# Altium PCB ALCT_MEZ_LX150T.PcbDoc (part 7 of 8) (continued)
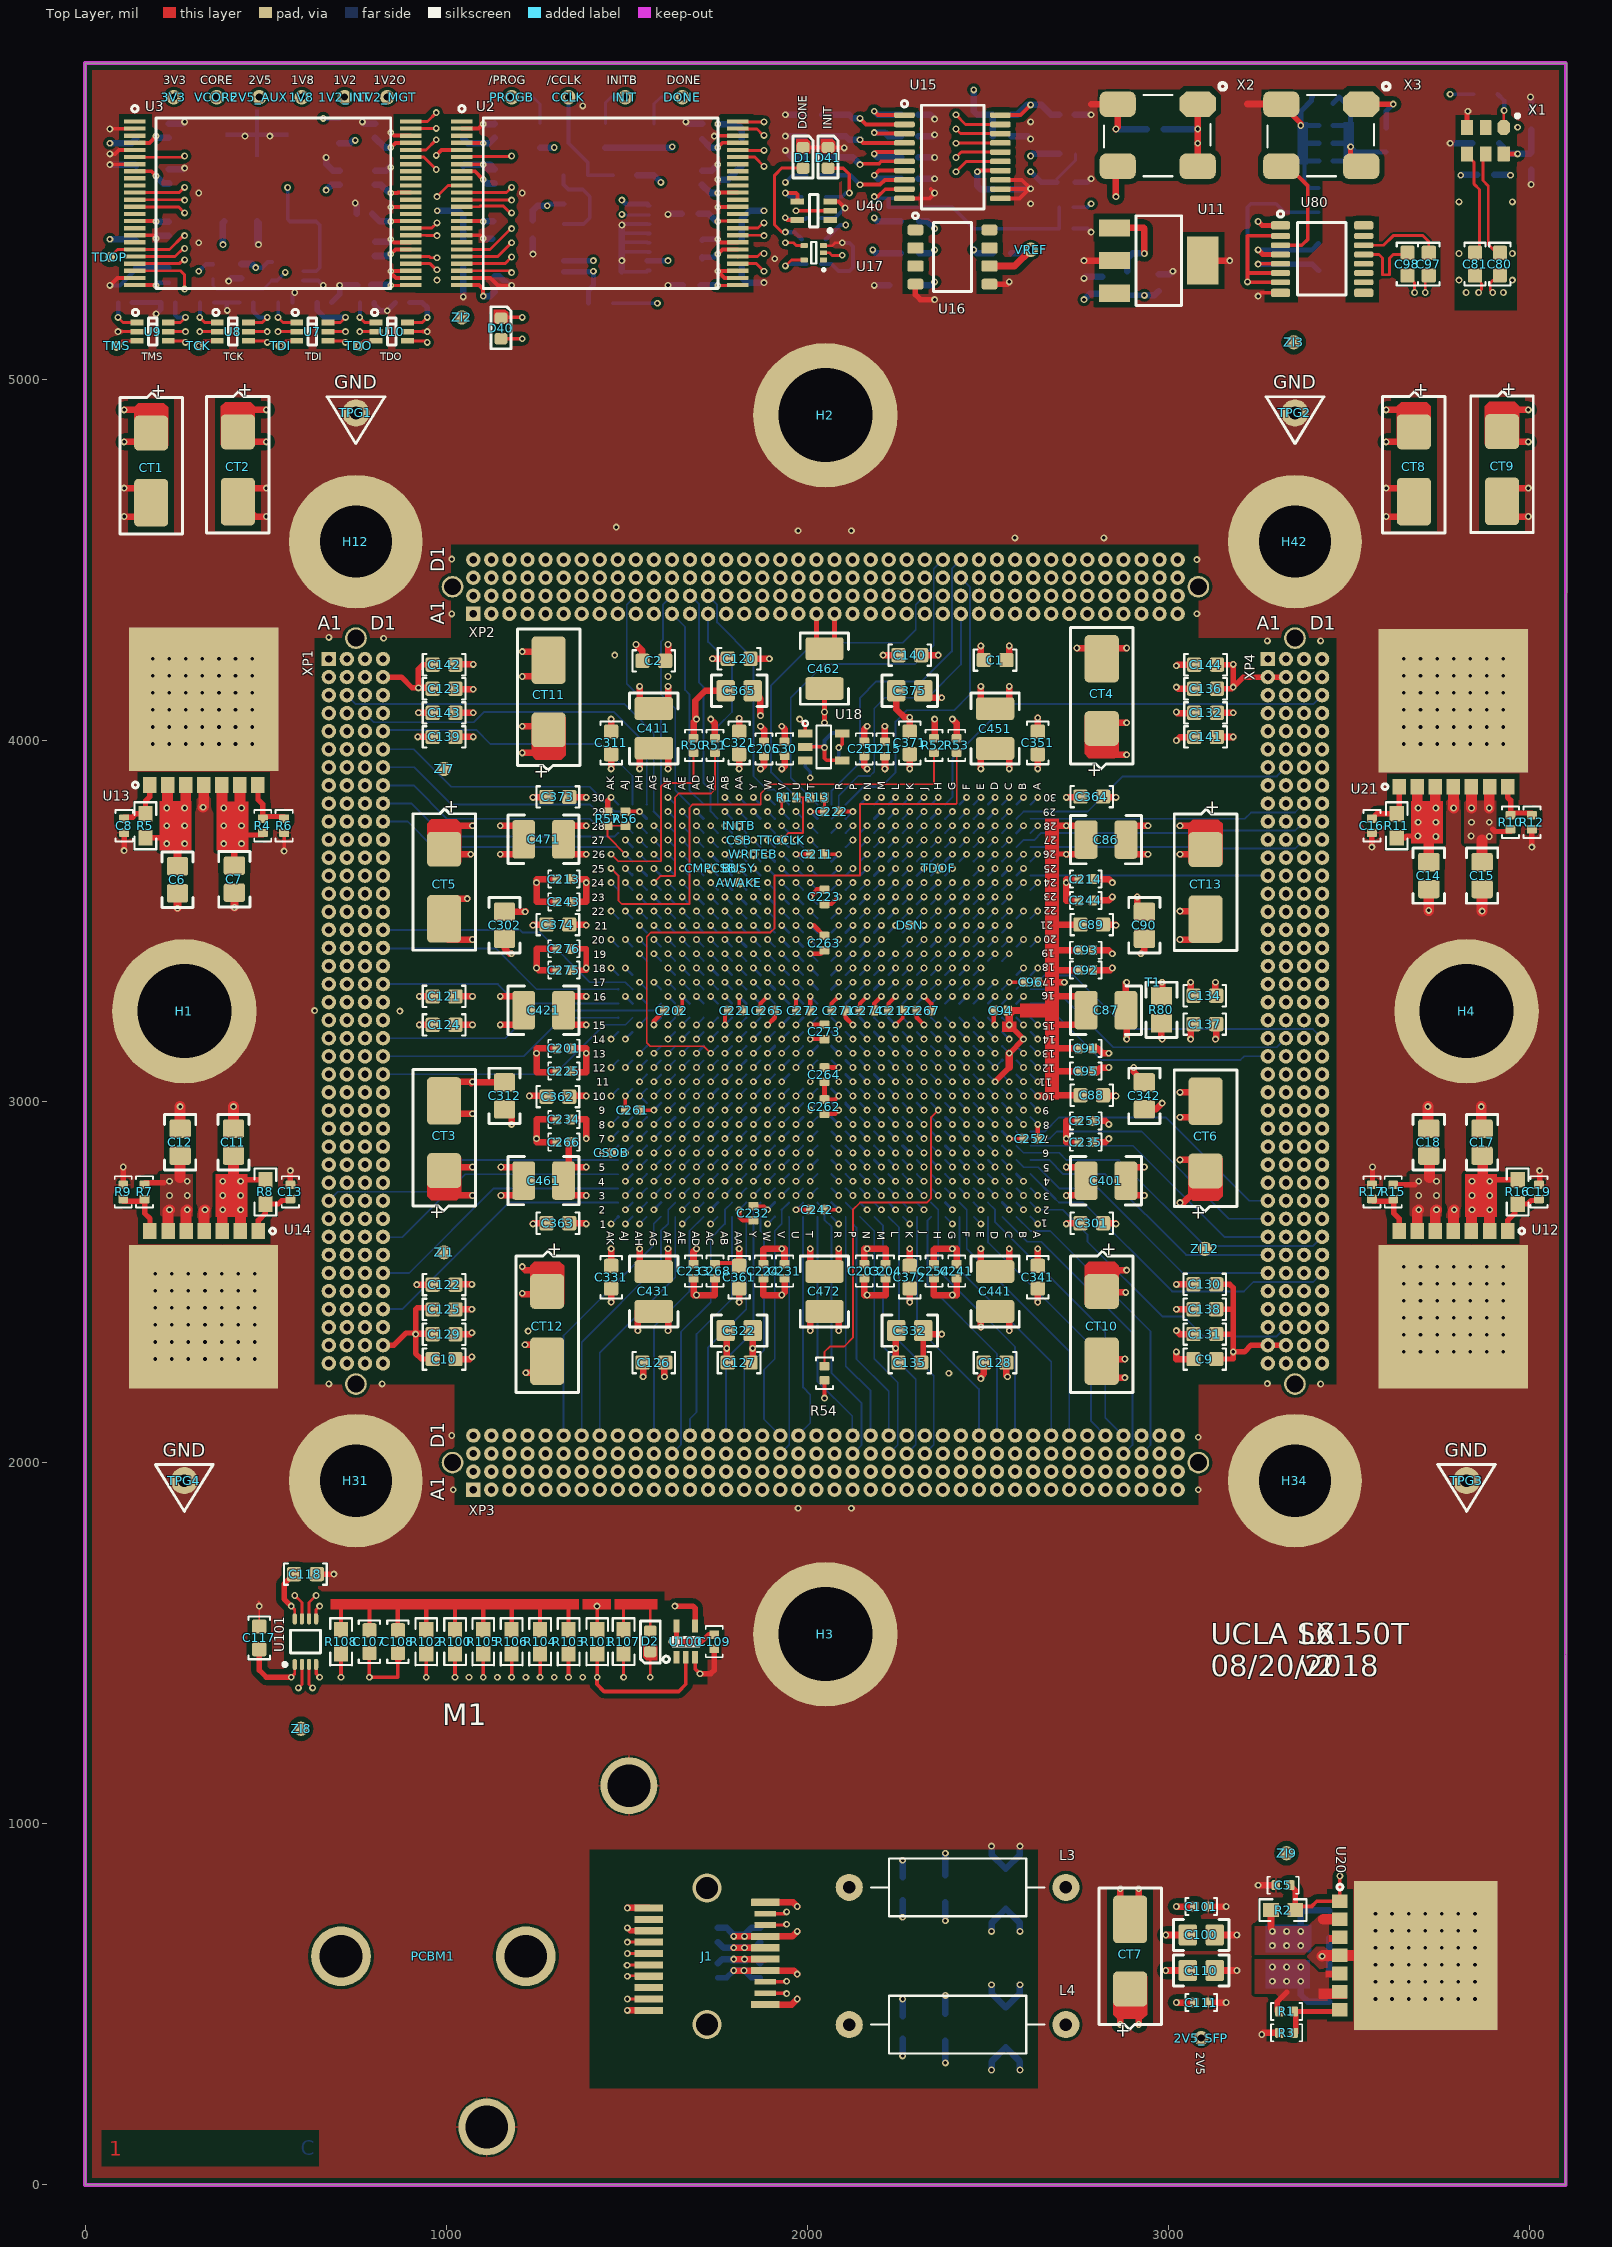
[diagram p0: Top Layer view]
## Nets (pads, with @x,y where several pads share a name; then routed paths per layer and width w, separated by ;. In a path a pad name is that pad's centre, name@x,y a point inside that pad or via, vN(x,y) a via of type N, cw(c..) or ccw(c..) an arc to the next point about the centre after c; other vN are vias at no path point) (continued)
  Mid-Layer 1 w5: v1(2519.69,2857.68) 2539.32,2838.05 2551.05,2838.05 ; 2551.05,2837.82 2764.01,2837.82 ; 2763.78,2838.05 2764.01,2837.82 ; XP4.B31@3325,2725.01 3300,2700.01 2901.83,2700.01 2764.01,2837.82
  Bottom Layer w6: U1.D6@2500,2877.37 v1(2519.69,2857.68)
XP4B_32: U1.C5 XP4.B32 | length 874.3
  Mid-Layer 1 w5: v1(2559.06,2818.3) 2559.58,2818.82 2686.5,2818.82 2706.69,2798.63 2746.06,2798.63 2894.37,2650.32 3175,2650.32 3175.32,2650.01 3300,2650.01 XP4.B32@3325,2675.01
  Bottom Layer w6: U1.C5@2539.38,2837.98 v1(2559.06,2818.3)
XP4B_33: U1.D5 XP4.B33 | length 933.9
  Mid-Layer 1 w5: v1(2519.69,2818.3) 2539.43,2798.56 2618.17,2798.56 2637.8,2778.94 2704.74,2778.94 2883.36,2600.32 3200,2600.32 3200.32,2600.01 3300,2600.01 XP4.B33@3325,2625.01
  Bottom Layer w6: U1.D5@2500,2838 v1(2519.69,2818.3)
XP4B_34: U1.C4 XP4.B34 | length 898.5
  Mid-Layer 1 w5: v1(2559.06,2778.93) 2560.18,2778.93 v1@2560.24,2778.87 ; v1@2560.18,2778.81 2579.68,2759.31 2657.43,2759.31 2864.36,2552.38 2891.94,2552.38 2894.31,2550.01 3301.18,2550.01 XP4.B34@3325,2573.82
  Bottom Layer w6: U1.C4@2539.38,2798.62 v1(2559.06,2778.93)
XP4B_35: U1.E5 XP4.B35 | length 1010.2
  Mid-Layer 4 w5: v1(2480.33,2818.3) 2499.84,2837.81 2884.04,2837.81 3171.85,2550.01 3300,2550.01 XP4.B35@3325,2525.01
  Bottom Layer w6: U1.E5@2460.63,2838 v1(2480.33,2818.3)
XP4B_36: U1.B2 XP4.B36 | length 884.5
  Mid-Layer 1 w5: v1(2598.43,2700.2) 2598.43,2672.63 2821.55,2449.51 3299.5,2449.51 ; 3300.5,2450.51 XP4.B36@3325,2475.01
  Bottom Layer w6: U1.B2@2578.74,2719.89 v1@2599.11,2699.52
XP4B_37: U1.D4 XP4.B37 | length 1058.5
  Mid-Layer 1 w5: v1(2519.69,2778.93) 2539.56,2759.07 2539.56,2745.28 2539.56,2660.65 2800.7,2399.51 3299.5,2399.51 XP4.B37@3325,2425.01
  Bottom Layer w6: U1.D4@2500.01,2798.62 v1(2519.69,2778.93)
XP4B_38: U1.A2 XP4.B38 | length 882.4
  Bottom Layer w5: v1(2637.8,2700.2) 2706.69,2700.2 2775.59,2631.3 2775.59,2611.62 2982.28,2404.93 3041.34,2404.93 3096.76,2349.51 3299.5,2349.51 XP4.B38@3325,2375.01
  Bottom Layer w6: U1.A2@2618.11,2719.89 v1(2637.8,2700.2)
XP4C_3: U1.H30 XP4.C3 | length 1157.9
  Mid-Layer 7 w5: v1(2362.2,3841.93) 2381.89,3861.62 2936.99,3861.62 3175.38,4100.01 3350,4100.01 XP4.C3@3375,4125.01
  Bottom Layer w6: U1.H30@2342.52,3822.25 v1(2362.2,3841.93)
XP4C_4: U1.J29 XP4.C4 | length 1192.9
  Mid-Layer 7 w5: v1(2322.83,3802.56) 2342.46,3822.19 2952.7,3822.19 3180.51,4050.01 3350,4050.01 XP4.C4@3375,4075.01
  Bottom Layer w6: U1.J29@2303.15,3782.88 v1(2322.83,3802.56)
XP4C_5: U1.D27 XP4.C5 | length 1039
  Mid-Layer 1 w5: v1(2519.69,3723.82) 2539.45,3743.57 2657.54,3743.57 2746.06,3832.09 2746.06,3849.83 2875.97,3979.73 2903.54,3979.73 2973.82,4050.01 3350,4050.01 XP4.C5@3375,4025.01
  Bottom Layer w6: U1.D27@2500,3704.14 v1(2519.69,3723.82)
XP4C_6: U1.A28 XP4.C6 | length 877.2
  Mid-Layer 2 w5: v1(2637.8,3763.19) 2667.32,3733.67 2854.33,3733.67 3070.17,3949.51 3349.5,3949.51 XP4.C6@3375,3975.01
  Bottom Layer w6: U1.A28@2618.11,3743.51 v1(2637.8,3763.19)
XP4C_7: U1.D26 XP4.C7 | length 1019.7
  Mid-Layer 1 w5: v1(2519.69,3684.45) 2539.2,3664.94 2765.92,3664.94 3050.98,3950.01 3350,3950.01 XP4.C7@3375,3925.01
  Bottom Layer w6: U1.D26@2500,3664.77 v1(2519.69,3684.45)
XP4C_8: U1.C29 XP4.C8 | length 906.9
  Mid-Layer 5 w5: v1@2561.59,3800.01 v1(2559.06,3802.55) 2893.68,3802.55 2913.39,3822.25 3169.29,3822.25 3246.55,3899.51 3350.5,3899.51 XP4.C8@3375,3875.01 XP4.C8@3375,3870.48
  Bottom Layer w6: U1.C29@2539.38,3782.87 v1(2559.06,3802.55) v1@2562.39,3805.88
XP4C_9: U1.A29 XP4.C9 | length 774.3
  Bottom Layer w5: U1.A29@2618.11,3782.88 3211.22,3782.88 3228.35,3800.01 3350,3800.01 XP4.C9@3375,3825.01
XP4C_10: U1.B27 XP4.C10 | length 825.6
  Bottom Layer w5: U1.B27@2578.74,3704.14 2598.11,3723.51 2627.95,3723.51 2647.95,3743.51 3070.87,3743.51 3077.36,3750.01 3350,3750.01 XP4.C10@3375,3775.01
XP4C_11: U1.A27 XP4.C11 | length 769.4
  Bottom Layer w5: 3056.57,3704.45 3061.02,3700.01 3350,3700.01 XP4.C11@3375,3725.01
  Bottom Layer w6: U1.A27@2618.11,3704.14 2618.11,3704.45 3056.57,3704.45
XP4C_12: U1.F24 XP4.C12 | length 1019
  Mid-Layer 2 w5: v1(2440.96,3605.7) 2460.45,3625.2 2460.45,3652.78 2472.44,3664.77 3185.24,3664.77 3200,3650.01 3350,3650.01 XP4.C12@3375,3675.01
  Bottom Layer w6: U1.F24@2421.26,3586.02 v1(2440.96,3605.7)
XP4C_13: U1.E24 XP4.C13 | length 952.1
  Mid-Layer 2 w5: v1(2480.32,3605.71) 2499.82,3625.22 3174.78,3625.22 3200,3600.01 3351.18,3600.01 3375,3623.83 XP4.C13@3375,3625.01
  Bottom Layer w6: U1.E24@2460.64,3586.02 v1(2480.32,3605.71)
XP4C_14: U1.F23 XP4.C14 | length 995.2
  Mid-Layer 2 w5: v1(2440.94,3566.33) 2460.45,3585.84 3152.32,3585.84 3188.16,3550.01 3350,3550.01 XP4.C14@3375,3575.01
  Bottom Layer w6: U1.F23@2421.26,3546.66 v1(2440.94,3566.33)
XP4C_15: U1.H21 XP4.C15 | length 1110.8
  Mid-Layer 2 w5: v1(2362.21,3487.6) 2381.71,3507.1 2381.71,3534.68 2393.51,3546.48 3139.94,3546.48 3186.42,3500.01 3350,3500.01 XP4.C15@3375,3525.01
  Bottom Layer w6: U1.H21@2342.52,3467.92 v1(2362.21,3487.6)
XP4C_16: U1.E16 XP4.C16 | length 998.9
  Mid-Layer 1 w5: v1(2480.33,3290.75) 2500,3310.44 3070.87,3310.44 3210.93,3450.51 3350.5,3450.51 XP4.C16@3375,3475.01
  Bottom Layer w6: U1.E16@2460.63,3271.07 v1(2480.33,3290.75)
XP4C_17: U1.H19 XP4.C17 | length 1119.6
  Mid-Layer 4 w5: v1(2362.2,3408.84) 2382.05,3428.69 2382.05,3456.25 2393.53,3467.73 3162.49,3467.73 3230.22,3400.01 3350,3400.01 XP4.C17@3375,3425.01
  Bottom Layer w6: U1.H19@2342.52,3389.18 v1(2362.2,3408.84)
XP4C_18: U1.K14 XP4.C18 | length 1297.8
  Mid-Layer 1 w5: v1@2283.16,3172.95 v1(2283.48,3172.63) 2263.98,3192.13 2263.98,3251.58 2283.46,3271.07 3106.82,3271.07 3235.25,3399.51 3350.5,3399.51 XP4.C18@3375,3375.01
  Bottom Layer w6: U1.K14@2263.79,3192.32 v1(2283.48,3172.63)
XP4C_19: U1.G20 XP4.C19 | length 1089.2
  Mid-Layer 2 w5: v1(2401.57,3448.19) 2421.12,3467.74 3051.18,3467.74 3218.92,3300.01 3350,3300.01 XP4.C19@3375,3325.01
  Bottom Layer w6: U1.G20@2381.89,3428.52 v1(2401.57,3448.19)
XP4C_22: U1.G14 XP4.C22 | length 1132.7
  Mid-Layer 1 w5: v1@2401.13,3173.08 v1(2401.58,3172.63) ; v1@2401.32,3173.26 2382.07,3192.51 2382.07,3231.51 2381.89,3231.7 2421.26,3231.7 3031.5,3231.7 3112.69,3150.51 3350.5,3150.51 XP4.C22@3375,3175.01 ; XP4.C22@3375,3173.82 XP4.C22@3375.59,3174.42
  Bottom Layer w6: U1.G14@2381.89,3192.32 v1(2401.58,3172.63)
XP4C_23: U1.G17 XP4.C23 | length 1122.8
  Mid-Layer 2 w5: v1(2401.58,3330.12) 2421.09,3349.63 2836.8,3349.63 2836.98,3349.81 2984.97,3349.81 2985.15,3349.62 2990.36,3349.62 3239.48,3100.51 3350.5,3100.51 XP4.C23@3375,3125.01
  Bottom Layer w6: U1.G17@2381.89,3310.44 v1(2401.58,3330.12)
XP4C_24: U1.H17 XP4.C24 | length 1167
  Mid-Layer 2 w5: v1(2362.21,3330.12) 2363.86,3330.12 2383.71,3310.26 2952.93,3310.26 3213.19,3050.01 3350,3050.01 XP4.C24@3375,3075.01
  Bottom Layer w6: U1.H17@2342.52,3310.44 v1(2362.21,3330.12)
XP4C_25: U1.H16 XP4.C25 | length 1150.7
  Mid-Layer 4 w5: v1(2362.21,3290.75) 2381.89,3271.07 3001.97,3271.07 3223.53,3049.51 3350.5,3049.51 XP4.C25@3375,3025.01
  Bottom Layer w6: U1.H16@2342.52,3271.07 v1(2362.21,3290.75)
XP4C_26: U1.J18 XP4.C26 | length 1282.6
  Mid-Layer 2 w5: v1(2322.84,3369.48) 2342.7,3349.63 2342.7,3320.28 2342.71,3282.67 2355.66,3269.72 2934.41,3269.72 3204.13,3000.01 3350,3000.01 XP4.C26@3375,2975.01
  Bottom Layer w6: U1.J18@2303.15,3349.81 v1(2322.84,3369.48)
XP4C_27: U1.K15 XP4.C27 | length 1275.1
  Mid-Layer 2 w5: v1(2283.48,3212) 2303,3231.52 2854.51,3231.52 3186.02,2900.01 3350,2900.01 XP4.C27@3375,2925.01
  Bottom Layer w6: U1.K15@2263.78,3231.7 v1(2283.48,3212)
XP4C_28: U1.L14 XP4.C28 | length 1323.9
  Mid-Layer 2 w5: v1@2244.09,3176.58 v1(2244.09,3172.63) 2263.61,3192.15 2353.97,3192.15 2354.08,3192.26 2370.34,3192.26 2370.45,3192.15 2836.99,3192.15 2836.99,3191.94 2875.78,3153.14 2876,3153.14 2895.87,3133.27 2895.87,3133.06 3023.42,3005.51 3023.63,3005.51 3179.13,2850.01 3351.18,2850.01 3375,2873.83 XP4.C28@3375,2875.01
  Bottom Layer w6: U1.L14@2224.41,3192.32 v1(2244.09,3172.63)
XP4C_29: U1.H14 XP4.C29 | length 1233
  Mid-Layer 2 w5: v1(2362.21,3172.63) 2382.06,3152.78 2842.71,3152.78 2862.22,3133.27 2862.22,3086.01 3148.23,2800.01 3350,2800.01 XP4.C29@3375,2825.01
  Bottom Layer w6: U1.H14@2342.53,3192.32 v1(2362.21,3172.63)
XP4C_30: U1.F13 XP4.C30 | length 1131
  Mid-Layer 2 w5: v1(2440.94,3133.27) 2460.8,3113.41 2785.61,3113.41 3149.02,2750.01 3350,2750.01 XP4.C30@3375,2775.01
  Bottom Layer w6: U1.F13@2421.26,3152.96 v1(2440.94,3133.27)
XP4C_31: U1.F12 XP4.C31 | length 1136.1
  Mid-Layer 2 w5: v1(2440.94,3093.9) 2460.8,3074.04 2767.88,3074.04 3141.91,2700.01 3351.18,2700.01 3375,2723.83 XP4.C31@3375,2725.01
  Bottom Layer w6: U1.F12@2421.26,3113.59 v1(2440.94,3093.9)
XP4C_32: U1.G11 XP4.C32 | length 1179.2
  Mid-Layer 2 w5: v1(2401.58,3054.53) 2421.44,3034.67 2765.75,3034.67 3150.41,2650.01 3350,2650.01 XP4.C32@3375,2675.01
  Bottom Layer w6: U1.G11@2381.89,3074.22 v1(2401.58,3054.53)
XP4C_33: U1.G10 XP4.C33 | length 1183.7
  Mid-Layer 2 w5: v1(2401.58,3015.15) 2421.43,2995.3 2432.7,2995.3 2432.81,2995.41 2449.08,2995.41 2449.19,2995.3 2706.87,2995.3 3102.16,2600.01 3350,2600.01 XP4.C33@3375,2625.01
  Bottom Layer w6: U1.G10@2381.89,3034.85 v1(2401.58,3015.15)
XP4C_34: U1.F9 XP4.C34 | length 1148.6
  Mid-Layer 2 w5: v1(2440.94,2975.78) 2460.8,2955.92 2687.19,2955.92 3092.79,2550.32 3200,2550.32 3200.32,2550.01 3350,2550.01 XP4.C34@3375,2575.01
  Bottom Layer w6: U1.F9@2421.26,2995.48 v1(2440.94,2975.78)
XP4C_35: U1.E8 XP4.C35 | length 1113.6
  Mid-Layer 2 w5: v1(2480.33,2936.42) 2500.18,2916.56 2657.66,2916.56 3057.09,2517.13 3190.92,2517.13 3207.72,2500.32 3225,2500.32 3225.32,2500.01 3350,2500.01 XP4.C35@3375,2525.01
  Bottom Layer w6: U1.E8@2460.63,2956.11 v1(2480.33,2936.42)
XP4C_36: U1.E7 XP4.C36 | length 1136.5
  Mid-Layer 2 w5: v1(2480.33,2897.05) 2500.19,2877.19 2630.08,2877.19 2826.94,2680.33 2826.94,2648.85 3025.47,2450.32 3200,2450.32 3200.32,2450.01 3350,2450.01 XP4.C36@3375,2475.01
  Bottom Layer w6: U1.E7@2460.63,2916.74 v1(2480.33,2897.05)
XP4C_37: U1.E6 XP4.C37 | length 1161.7
  Mid-Layer 2 w5: v1(2480.33,2857.68) 2500.19,2837.82 2618.29,2837.82 2687.01,2769.1 2687.01,2729.73 2755.91,2660.83 2755.91,2633.26 2988.84,2400.32 3200,2400.32 3200.32,2400.01 3350,2400.01 XP4.C37@3375,2425.01
  Bottom Layer w6: U1.E6@2460.63,2877.37 v1(2480.33,2857.68)
XP4C_38: U1.F6 XP4.C38 | length 1258.5
  Mid-Layer 2 w5: v1(2440.94,2857.68) 2460.83,2837.8 2460.83,2810.22 2472.26,2798.79 2606.15,2798.79 2657.3,2747.65 2657.3,2651.17 2962.41,2346.06 3187.21,2346.06 3191.16,2350.01 3350,2350.01 XP4.C38@3375,2375.01
  Bottom Layer w6: U1.F6@2421.26,2877.37 v1(2440.94,2857.68)
XP4D_3: U1.G30 XP4.D3 | length 1231.2
  Bottom Layer w5: U1.G30@2381.89,3822.25 2401.57,3841.93 2401.57,3948.25 2553.83,4100.51 3208.66,4100.51 3209.16,4100.01 3400,4100.01 XP4.D3@3425,4125.01
XP4D_4: U1.B30 XP4.D4 | length 988.5
  Mid-Layer 2 w5: v1(2598.43,3841.93) 2598.43,3871.46 2608.27,3881.3 2854.33,3881.3 3072.53,4099.51 3400.5,4099.51 XP4.D4@3425,4075.01
  Bottom Layer w6: U1.B30@2578.74,3822.25 v1(2598.43,3841.93)
XP4D_5: U1.D28 XP4.D5 | length 1041.6
  Mid-Layer 2 w5: v1(2519.68,3763.19) 2539.37,3782.88 2834.65,3782.88 3041.34,3989.57 3227.26,3989.57 3238.19,4000.51 3400.5,4000.51 XP4.D5@3425,4025.01
  Bottom Layer w6: U1.D28@2500,3743.51 v1(2519.68,3763.19)
XP4D_6: U1.C30 XP4.D6 | length 960.4
  Mid-Layer 5 w5: v1(2559.06,3841.93) 2559.06,3861.62 2568.9,3871.46 3169.29,3871.46 3248.03,3950.2 3400.2,3950.2 XP4.D6@3425,3975.01
  Bottom Layer w6: U1.C30@2539.37,3822.25 v1(2559.06,3841.93)
XP4D_7: U1.G29 XP4.D7 | length 1171.6
  Mid-Layer 7 w5: v1(2401.57,3802.56) 2421.44,3782.7 2421.44,3755.12 2432.86,3743.69 3051.36,3743.69 3207.68,3900.01 3400,3900.01 XP4.D7@3425,3925.01
  Bottom Layer w6: U1.G29@2381.89,3782.88 v1@2404.91,3805.88
XP4D_8: U1.A26 XP4.D8 | length 918.8
  Mid-Layer 2 w5: v1(2637.8,3684.45) 2657.48,3704.14 2923.23,3704.14 3119.59,3900.51 3399.5,3900.51 XP4.D8@3425,3875.01 XP4.D8@3425,3871.27
  Bottom Layer w6: U1.A26@2618.11,3664.77 v1(2637.8,3684.45)
XP4D_9: U1.G27 XP4.D9 | length 1109.3
  Mid-Layer 7 w5: v1(2401.58,3723.82) 2421.08,3704.32 3080.89,3704.32 3176.07,3799.51 3399.5,3799.51 XP4.D9@3425,3825.01
  Bottom Layer w6: U1.G27@2381.89,3704.14 v1(2401.58,3723.82)
XP4D_10: U1.F26 XP4.D10 | length 1065.7
  Mid-Layer 5 w5: v1(2440.94,3684.45) 2460.63,3664.77 3041.34,3664.77 3126.58,3750.01 3400,3750.01 XP4.D10@3425,3775.01
  Bottom Layer w6: U1.F26@2421.26,3664.77 v1(2440.94,3684.45)
XP4D_11: U1.D25 XP4.D11 | length 982.6
  Mid-Layer 5 w5: v1(2519.69,3645.07) 2539.36,3625.4 3129.92,3625.4 3204.53,3700.01 3400,3700.01 XP4.D11@3425,3725.01
  Bottom Layer w6: U1.D25@2500,3625.4 v1(2519.69,3645.07)
XP4D_12: U1.C26 XP4.D12 | length 1031.5
  Mid-Layer 4 w5: v1(2559.06,3684.45) 2578.93,3664.58 2578.93,3653.16 2578.93,3597.63 2590.35,3586.2 3121.43,3586.2 3235.24,3700.01 3400,3700.01 XP4.D12@3425,3675.01 XP4.D12@3425.2,3674.81
  Bottom Layer w6: U1.C26@2539.38,3664.77 v1(2559.06,3684.45)
XP4D_13: U1.K20 XP4.D13 | length 1321.2
  Mid-Layer 5 w5: v1(2283.47,3448.19) 2263.98,3467.68 2263.98,3535.05 2275.59,3546.66 2332.49,3546.66 2332.68,3546.47 2982.28,3546.47 2982.47,3546.66 3145.47,3546.66 3198.82,3600.01 3400,3600.01 XP4.D13@3425,3625.01
  Bottom Layer w6: U1.K20@2263.79,3428.52 v1(2283.47,3448.19)
XP4D_14: U1.J19 XP4.D14 | length 1215
  Mid-Layer 5 w5: v1(2322.84,3408.84) 2342.34,3428.34 2342.34,3455.9 2354.35,3467.92 3165.94,3467.92 3248.03,3550.01 3400,3550.01 XP4.D14@3425,3575.01
  Bottom Layer w6: U1.J19@2303.15,3389.18 v1(2322.84,3408.84)
XP4D_15: U1.G19 XP4.D15 | length 1099.4
  Mid-Layer 5 w5: v1(2401.57,3408.84) 2421.28,3428.55 3186.42,3428.55 3257.87,3500.01 3400,3500.01 XP4.D15@3425,3525.01
  Bottom Layer w6: U1.G19@2381.89,3389.18 v1(2401.57,3408.84)
XP4D_16: U1.G21 XP4.D16 | length 1093.4
  Mid-Layer 2 w5: v1(2401.58,3487.6) 2404.11,3487.6 2423.62,3507.11 3130.1,3507.11 3187.2,3450.01 3400,3450.01 XP4.D16@3425,3475.01
  Bottom Layer w6: U1.G21@2381.89,3467.92 v1(2401.58,3487.6)
XP4D_17: U1.H18 XP4.D17 | length 1113.6
  Mid-Layer 5 w5: v1(2362.21,3369.48) 2381.91,3389.18 3218.5,3389.18 3229.33,3400.01 3400,3400.01 XP4.D17@3425,3425.01
  Bottom Layer w6: U1.H18@2342.52,3349.81 v1(2362.21,3369.48)
XP4D_18: U1.K17 XP4.D18 | length 1188
  Mid-Layer 5 w5: v1(2283.48,3330.12) 2302.98,3349.62 2606.14,3349.62 2606.33,3349.81 2873.83,3349.81 2874.02,3349.99 3208.15,3349.99 3208.66,3350.51 3400.5,3350.51 XP4.D18@3425,3375.01
  Bottom Layer w6: U1.K17@2263.78,3310.44 v1(2283.48,3330.12)
XP4D_19: U1.D16 XP4.D19 | length 1115.1
  Mid-Layer 7 w5: v1(2519.69,3290.75) 2500.19,3310.25 2500.19,3369.69 2519.5,3388.99 2736.22,3388.99 2785.62,3438.39 2972.44,3438.39 3041.34,3369.49 3131.29,3369.49 3150.78,3350.01 3400,3350.01 XP4.D19@3425,3325.01
  Bottom Layer w6: U1.D16@2500,3271.07 v1(2519.69,3290.75)
XP4D_22: U1.B17 XP4.D22 | length 934
  Bottom Layer w5: U1.B17@2578.74,3310.44 2598.43,3330.12 2637.8,3330.12 2656.3,3348.62 2737.41,3348.62 2885.52,3200.51 3399.5,3200.51 XP4.D22@3425,3175.01
XP4D_23: U1.L11 XP4.D23 | length 1522.9
  Mid-Layer 5 w5: v1(2244.09,3054.53) 2263.98,3074.42 2263.98,3298.83 2275.4,3310.25 2550.98,3310.25 3041.51,3310.25 3201.25,3150.51 3399.5,3150.51 XP4.D23@3425,3125.01
  Bottom Layer w6: U1.L11@2224.41,3074.22 v1(2244.09,3054.53)
XP4D_24: U1.L13 XP4.D24 | length 1305.1
  Mid-Layer 1 w5: v1(2244.09,3133.27) 2263.83,3153 2421.26,3153 2421.3,3152.96 2460.63,3152.96 2460.63,3192.33 2460.83,3192.13 2499.8,3192.13 2500,3192.33 2992.13,3192.33 3084.45,3100.01 3400,3100.01 XP4.D24@3425,3075.01
  Bottom Layer w6: U1.L13@2224.41,3152.96 v1(2244.09,3133.27)
XP4D_25: U1.G15 XP4.D25 | length 1200.8
  Mid-Layer 5 w5: v1(2401.57,3212) 2401.57,3251.38 2421.26,3271.07 3003.92,3271.07 3225.48,3049.51 3400.7,3049.51 3425,3025.2 XP4.D25@3425,3025.01
  Bottom Layer w6: U1.G15@2381.89,3231.7 v1@2401.56,3212.01
XP4D_26: U1.B15 XP4.D26 | length 971.9
  Mid-Layer 4 w5: v1(2598.43,3212.01) 2617.93,3192.51 2932.89,3192.51 3174.89,2950.51 3400.5,2950.51 XP4.D26@3425,2975.01
  Bottom Layer w6: U1.B15@2578.74,3231.7 v1@2597.74,3212.68
XP4D_27: U1.E15 XP4.D27 | length 1128.4
  Mid-Layer 5 w5: v1(2480.33,3212) 2480.33,3231.71 2490.16,3241.54 2952.58,3241.54 3243.61,2950.51 3401.27,2950.51 3425,2926.78 XP4.D27@3425,2925.01
  Bottom Layer w6: U1.E15@2460.63,3231.7 v1(2480.33,3212)
XP4D_28: U1.F15 XP4.D28 | length 1169.1
  Mid-Layer 4 w5: v1(2440.94,3212) 2460.62,3192.33 2460.62,3182.5 2460.83,3182.29 2460.83,3164.56 2472.25,3153.13 2489.98,3153.13 2490.16,3152.96 2875.97,3152.96 3129.42,2899.51 3403.06,2899.51 3425,2877.56 XP4.D28@3425,2875.01
  Bottom Layer w6: U1.F15@2421.26,3231.7 v1(2440.94,3212)
XP4D_29: U1.H13 XP4.D29 | length 1255.2
  Mid-Layer 5 w5: v1(2362.21,3133.27) 2381.73,3152.78 2874.19,3152.78 3226.97,2800.01 3400,2800.01 XP4.D29@3425,2825.01
  Bottom Layer w6: U1.H13@2342.52,3152.96 v1(2362.21,3133.27)
XP4D_30: U1.F11 XP4.D30 | length 1148.3
  Mid-Layer 4 w5: v1(2440.94,3054.53) 2460.81,3034.66 2805.3,3034.66 3089.87,2750.1 3400.09,2750.1 XP4.D30@3425,2775.01
  Bottom Layer w6: U1.F11@2421.26,3074.22 v1(2440.94,3054.53)
XP4D_31: U1.J12 XP4.D31 | length 1319.7
  Mid-Layer 5 w5: v1(2322.84,3093.9) 2342.35,3113.4 2787.57,3113.4 3200.97,2700.01 3400,2700.01 XP4.D31@3425,2725.01
  Bottom Layer w6: U1.J12@2303.15,3113.59 v1(2322.84,3093.9)
XP4D_32: U1.H12 XP4.D32 | length 1284.9
  Mid-Layer 5 w5: v1(2362.21,3093.9) 2382.08,3074.03 2726.56,3074.03 3150.59,2650.01 3400,2650.01 XP4.D32@3425,2675.01
  Bottom Layer w6: U1.H12@2342.52,3113.59 v1(2362.21,3093.9)
XP4D_33: U1.B6 XP4.D33 | length 971.5
  Bottom Layer w5: U1.B6@2578.74,2877.37 2598.43,2857.68 2696.85,2857.68 2716.72,2837.81 2862.41,2837.81 3100.21,2600.01 3400,2600.01 XP4.D33@3425,2625.01
XP4D_34: U1.H11 XP4.D34 | length 1310
  Mid-Layer 5 w5: v1(2362.21,3054.53) 2381.71,3035.03 2665.19,3035.03 3150.21,2550.01 3400,2550.01 XP4.D34@3425,2575.01
  Bottom Layer w6: U1.H11@2342.52,3074.22 v1(2362.21,3054.53)
XP4D_35: U1.A4 XP4.D35 | length 962.5
  Bottom Layer w5: 2687.01,2729.73 2696.67,2720.07 2763.61,2720.07 3009.68,2474.01 3208.85,2474.01 3234.84,2500.01 3400,2500.01 XP4.D35@3425,2525.01
  Bottom Layer w6: U1.A4@2618.11,2798.63 2687.01,2729.73
XP4D_36: U1.E9 XP4.D36 | length 1330.7
  Mid-Layer 5 w5: v1(2480.33,2975.78) 2500,2956.11 2500,2700.2 2687.01,2513.19 3188.98,2513.19 3202.17,2500.01 3400,2500.01 XP4.D36@3425,2475.01 ; XP4.D36@3424.41,2474.41 XP4.D36@3425,2473.82
  Bottom Layer w6: U1.E9@2460.63,2995.48 v1(2480.33,2975.78)
XP4D_37: U1.B3 XP4.D37 | length 1022
  Mid-Layer 4 w5: v1(2598.43,2739.57) 2617.93,2759.07 2805.3,2759.07 3164.87,2399.51 3399.5,2399.51 XP4.D37@3425,2425.01
  Bottom Layer w6: U1.B3@2578.74,2759.26 v1(2598.43,2739.57)
XP4D_38: U1.F8 XP4.D38 | length 1399
  Mid-Layer 5 w5: v1(2440.94,2936.42) 2460.83,2916.53 2460.83,2668.92 2460.82,2652.76 2713.57,2400.01 3400,2400.01 XP4.D38@3425,2375.01
  Bottom Layer w6: U1.F8@2421.26,2956.11 v1(2440.94,2936.42)
pads on no net: J1.2 J1.8 J1.21 PCBM1.1 PCBM1.2 U1.A19 U1.A21 U1.A23 U1.AG14 U1.AG18 U1.AH14 U1.AH18 U1.AJ9 U1.AJ11 U1.AJ13 U1.AJ19 U1.AJ21 U1.AJ23 U1.AK9 U1.AK11 U1.AK13 U1.AK19 U1.AK21 U1.AK23 U1.B19 U1.B21 U1.B23 U1.C18 U1.D18 U1.U11 U2.1 U2.3 U2.9 U2.14 U2.16 U2.18 U2.35 U2.37 U2.39 U2.40 U2.41 U2.42 U3.1 U3.3 U3.9 U3.10 U3.14 U3.16 U3.18 U3.35 U3.37 U3.39 U3.40 U3.41 U3.42 U4.11 U4.12 U4.13 U4.15 U6.1 U11.3 U16.1 U16.2 U16.3 U16.7 U16.8 U17.1 U18.3 U19.3 U40.1 U80.9 U80.10 U80.11 U80.12 U80.15 U80.16 U100.1 X1.2 XP1.MC1 XP1.MC2 XP2.A30 XP2.B6 XP2.B7 XP2.B8 XP2.C5 XP2.C6 XP2.C20 XP2.C21 XP2.C32 XP2.C33 XP2.D5 XP2.D6 XP2.D20 XP2.D30 XP2.D32 XP2.D33 XP2.D35 XP2.MC1 XP2.MC2 XP3.MC1 XP3.MC2 XP4.A10 XP4.MC1 XP4.MC2 ZI1.1 ZI2.1 ZI3.1 ZI4.1 ZI5.1 ZI6.1 ZI7.1 ZI8.1 ZI9.1 ZI10.1 ZI11.1 ZI12.1
copper on no net: | length 2992.1
  +1V2 w7.87: 5049.21,4757.29 5649.61,4757.29
  +3V3 w7.87: 5049.21,4954.14 5649.61,4954.14
  +2V5 w7.87: 5049.21,4560.44 5649.61,4560.44
  GND1 w7.87: 5049.21,4353.75 5649.61,4353.75
  GND2 w7.87: 5049.21,4156.9 5639.76,4156.9
  other v1: 3966.54,5697.25

## Polygon pours and split planes (outlines as drawn)
+1V8 on Mid-Layer 2 "+1V8_L04_P072" (solid, remove dead copper, pour order 72): 0,5121.46 0,5873.82 4100,5873.82 4100,5121.46
+1V8 on Mid-Layer 2 "+1V8_L04_P170" (solid, pour order 170): 0,3664.77 59.05,3664.77 59.05,1253.35 718.5,1253.35 718.5,1194.3 698.82,1174.61 0,1174.61
GND on Mid-Layer 2 "GND_L04_P156" (solid, remove dead copper, pour order 156): 68.9,1263.77 68.9,3635.24 639.41,3635.24 639.41,2237.25 836.26,2237.25 1033.12,2237.25 1033.12,1882.92 3040.99,1882.92 3040.98,2128.99 3454.72,2128.99 3454.72,4402.61 3050.83,4402.61 3050.83,4530.91 600.39,4530.91 600.39,5150.99 4099.76,5150.99 4098.01,0 3444.53,0.01 3444.53,1263.77
+1V8 on Mid-Layer 2 "+1V8_L04_P164" (solid, remove dead copper, pour order 164): 0,3654.93 639.76,3654.93 639.76,4412.8 590.55,4462.01 590.55,4639.18 698.82,4747.45 1712.6,4747.45 1860.24,4895.08 1860.24,5141.15 0,5141.15
+2V5_SFP on Mid-Layer 2 "+2V5_SFP_L04_P166" (solid, pour order 166): 2649.27,943.5 2649.27,303.56 3200.27,303.56 3229.97,333.27 3229.98,500.59 3297.24,567.86 3297.24,590.8 3229.98,658.08 3229.98,904.13 3190.61,943.5 2944.55,943.5
+VCORE on Mid-Layer 2 "+VCORE_L04_P037" (solid, pour order 37): 3001.97,3673.03 3001.97,3750.65 3001.97,3773.04 3100.39,3861.62 3769.69,3861.62 3769.68,3677.96
sfp_vcct on Mid-Layer 2 "SFP_VCCT_L04_P077" (solid, remove dead copper, pour order 77): 1785.05,668.27 1785.05,644.65 2627.97,644.65 2627.97,927.33 1853.95,927.33 1853.95,700.95 1853.95,668.27
sfp_vcct2 on Mid-Layer 2 "SFP_VCCT2_L04_P078" (solid, remove dead copper, pour order 78): 1785.05,636.78 2627.97,636.78 2627.97,336.78 1853.95,336.78 1853.95,582.84 1853.95,613.16 1785.05,613.16
GND on Mid-Layer 1 "GND_L02_P178" (solid, remove dead copper, pour order 178): 0,4412.8 910.43,4412.8 910.43,4540.75 4100,4540.75 4100,5875.01 2874.02,5875.01 0,5875.01
+VCORE on Mid-Layer 1 "+VCORE_L02_P124" (solid, remove dead copper, pour order 124): -0.01,0.01 -0.01,4402.96 1143.03,4402.96 1141.73,4254.55 1358.16,4038.67 1232.05,3912.57 1091.76,4058.47 649.6,4058.47 649.6,3310.44 974.41,3310.44 974.41,3093.92 649.6,3093.89 649.6,2454.14 984.25,2454.14 1112.21,2582.09 1250,2582.09 1250,2424.61 1161.42,2336.03 1161.42,1893.12 1988.19,1893.12 1988.19,2060.44 2106.3,2060.44 2106.3,1893.12 2942.91,1893.12 2942.91,2246.68 3149.6,2246.68 3149.61,2365.56 3454.72,2365.56 3454.72,3162.8 3100.39,3162.8 3041.34,3221.86 3041.34,3251.38 3188.98,3251.38 3248.03,3310.44 3316.93,3310.44 3326.77,3320.28 3454.72,3320.28 3454.72,4127.37 2942.91,4127.36 2942.91,4530.91 2106.3,4530.91 2106.3,4363.59 1942.52,4363.59 1942.52,4708.08 2175.2,4708.08 2310.87,4983.67 4099.99,4983.67 4099.99,0.01
GND on Top Layer "GND_L01_P172" (solid, remove dead copper, pour order 172): -0.35,0 4099.65,0 4099.65,5875.01 -0.35,5875.01
+2V5_SFP on Top Layer "+2V5_SFP_L01_P136" (solid, remove dead copper, pour order 136): 3503.94,588.55 3503.94,509.81 3316.93,509.81 3297.24,529.49 3238.19,529.49 3238.19,625.2 3378.7,625.2 3415.35,588.55
+3V3 on Top Layer "+3V3_L01_P138" (solid, remove dead copper, pour order 138): 3238.19,637.76 3375.98,637.76 3405.51,667.29 3503.94,667.29 3503.94,746.03 3415.35,746.03 3385.83,716.5 3238.19,716.5
+1V2_MGT on Top Layer "+1V2_MGT_L01_P042" (solid, remove dead copper, pour order 42): 3818.9,3832.09 3818.9,3715.16 3907.48,3715.16 3907.48,3832.09
+1V2 on Top Layer "+1V2_L01_P083" (solid, remove dead copper, pour order 83): 298.08,2681.7 298.08,2798.63 208.71,2798.63 208.71,2681.7
+2V5_AUX on Top Layer "+2V5_AUX_L01_P162" (solid, remove dead copper, pour order 162): 3756.89,2681.7 3756.89,2798.63 3667.52,2798.63 3667.52,2681.7
GND on Mid-Layer 4 "GND_L06_P116" (solid, remove dead copper, pour order 116): 0,0.01 0,5875.01 836.61,5875 836.61,4806.5 1043.31,4599.81 1043.31,4255.32 846.46,4255.32 649.61,4255.32 649.61,2247.45 846.46,2247.45 1043.31,2247.45 1043.31,1893.12 3051.18,1893.12 3051.18,2139.18 3454.72,2139.18 3454.72,4412.8 3061.02,4412.8 3061.02,4525.99 1225,4525.99 1225,5873.82 4095.67,5873.82 4100,5869.49 4094.49,5863.98 4094.49,0.01
+VCORE on Mid-Layer 4 "+VCORE_L06_P152" (solid, remove dead copper, pour order 152): 3198.82,4275.01 3110.24,4186.42 3110.24,3960.04 2992.13,3841.93 2992.13,3654.93 3001.97,3645.08 3149.61,3645.08 3238.19,3733.67 3238.19,4275.01
+1V2_MGT on Mid-Layer 4 "+1V2_MGT_L06_P033" (solid, remove dead copper, pour order 33): 2677.17,3773.04 2677.17,3635.24 2755.91,3635.24 2755.91,3679.53 2790.36,3713.99 2844.49,3713.99 3090.55,3967.98 3090.55,4186.42 3228.35,4324.22 3385.83,4324.22 3454.72,4255.32 3454.72,3566.34 3789.37,3566.34 3917.32,3694.3 3917.32,3851.78 3809.06,3851.78 3809.05,3713.98 3789.37,3694.3 3572.83,3694.3 3553.15,3713.98 3553.15,4304.53 3454.72,4402.96 3139.76,4402.96 2972.44,4235.64 2972.44,3962.71 2828.63,3812.41 2716.54,3812.41
+VCORE on Mid-Layer 4 "+VCORE_L06_P150" (solid, remove dead copper, pour order 150): 2854.33,2690.36 2716.54,2552.56 2677.17,2513.19 2942.91,2247.45 3356.3,2247.45 3356.3,2355.71 3188.98,2355.71
+VCORE on Mid-Layer 4 "+VCORE_L06_P154" (solid, remove dead copper, pour order 154): 748.03,3192.33 885.83,3192.33 885.83,3241.54 1003.94,3241.54 1003.94,3271.07 935.04,3339.97 807.09,3339.97 807.09,3310.44 777.56,3310.44 748.03,3310.44
GND on Bottom Layer "GND_L12_P160" (solid, remove dead copper, pour order 160): 0,0 4100,0 4100,5875.01 0,5875.01
no net on Bottom Layer "NONET_L12_P146" (solid, remove dead copper, pour order 146): 49.21,637.76 472.44,637.76 472.44,1100.36 49.21,1100.36
GND on Mid-Layer 7 "GND_L10_P176" (solid, remove dead copper, pour order 176): 3631.89,4540.75 3631.89,2985.64 3543.31,2897.05 3543.31,1135.24 3503.94,1095.87 3503.94,412.41 3425.58,334.05 3426.25,0.01 4098.19,0.01 4098.19,3653.11 4100,4540.75
+1V2_MGT on Mid-Layer 7 "+1V2_MGT_L10_P087" (solid, remove dead copper, pour order 87): 1978.35,5603.75 1978.35,5812.39 899.27,5812.39 877.97,5791.09 877.97,5765.16 cw(c874.19,5765.11) 876.81,5762.37 857.13,5742.68 cw(c854.38,5745.36) 854.33,5741.53 814.96,5741.53 cw(c814.95,5745.49) 812.17,5742.68 800.36,5754.49 cw(c803.15,5757.29) 799.2,5757.29 799.2,5820.28 cw(c803.12,5820.28) 800.36,5823.08 831.85,5854.57 cw(c834.57,5851.86) 834.65,5855.73 2527.56,5855.73 cw(c2527.58,5851.93) 2530.35,5854.57 3958.63,5854.57 4084.65,5735.49 4084.65,3900.99 3877.95,3694.3 3828.74,3694.3 3809.06,3713.98 3809.06,3828.16 3985.73,3987.17 3985.73,5692.82 3889.5,5789.05 2501.61,5789.05 2501.62,5791.09 2472.43,5820.28 2037.4,5820.28 2037.4,5633.27 2057.09,5613.59 2155.51,5613.59 2165.35,5603.75 2165.35,5574.22 2155.51,5564.38 2037.4,5564.38 2017.72,5564.38
+3V3 on +3V3 "+3V3_L03_P128" (solid, remove dead copper, pour order 128): 0,1170.28 4100,1170.28 4100,5875.01 0,5875.01
GND on +3V3 "GND_L03_P168" (solid, pour order 168): 0,0.01 4100,0.01 4100,1219.49 0,1219.49
+2V5_AUX on +2V5 "+2V5_AUX_L07_P126" (solid, remove dead copper, pour order 126): 0,1223.82 4100,1223.82 4101.98,5875.01 0,5875.01
GND on +2V5 "+2V5-GND" (solid, pour order 174): 0.01,0.01 0,1209.65 4100,1209.65 4100,1189.97 4099.99,0
GND on Mid-Layer 5 "GND_L08_P120" (solid, remove dead copper, pour order 120): 0,0.01 0,4727.76 1043.31,4727.76 1043.31,4257.51 846.46,4257.51 649.61,4257.51 649.61,2247.44 1043.31,2247.45 1043.32,1893.12 3051.18,1893.12 3051.18,2247.45 3454.73,2247.45 3454.72,4257.51 3061.02,4257.51 3061.02,4530.91 2657.48,4530.91 2657.48,5875.01 4101.97,5875.01 4099.99,0
+1V2 on +1V2 "+1V2_L05_P081" (solid, remove dead copper, pour order 81): 0,0.01 4100,0.01 4100,5875.01 0,5875.01
GND on GND1 "GND_L09_P130" (solid, remove dead copper, pour order 130): 0,0.01 4100,0.01 4100,5875.01 0,5875.01
GND on GND2 "GND_L11_P134" (solid, remove dead copper, pour order 134): 0,0.01 4100,0.01 4100,5875.01 0,5875.01

## Keep-outs
Keep-Out Layer:
  lines w10: 0,0.01 0,5875.01 4100,5875.01 4100,0.01 0,0.01